# KiCad board Julelys LED.kicad_pcb (continued)
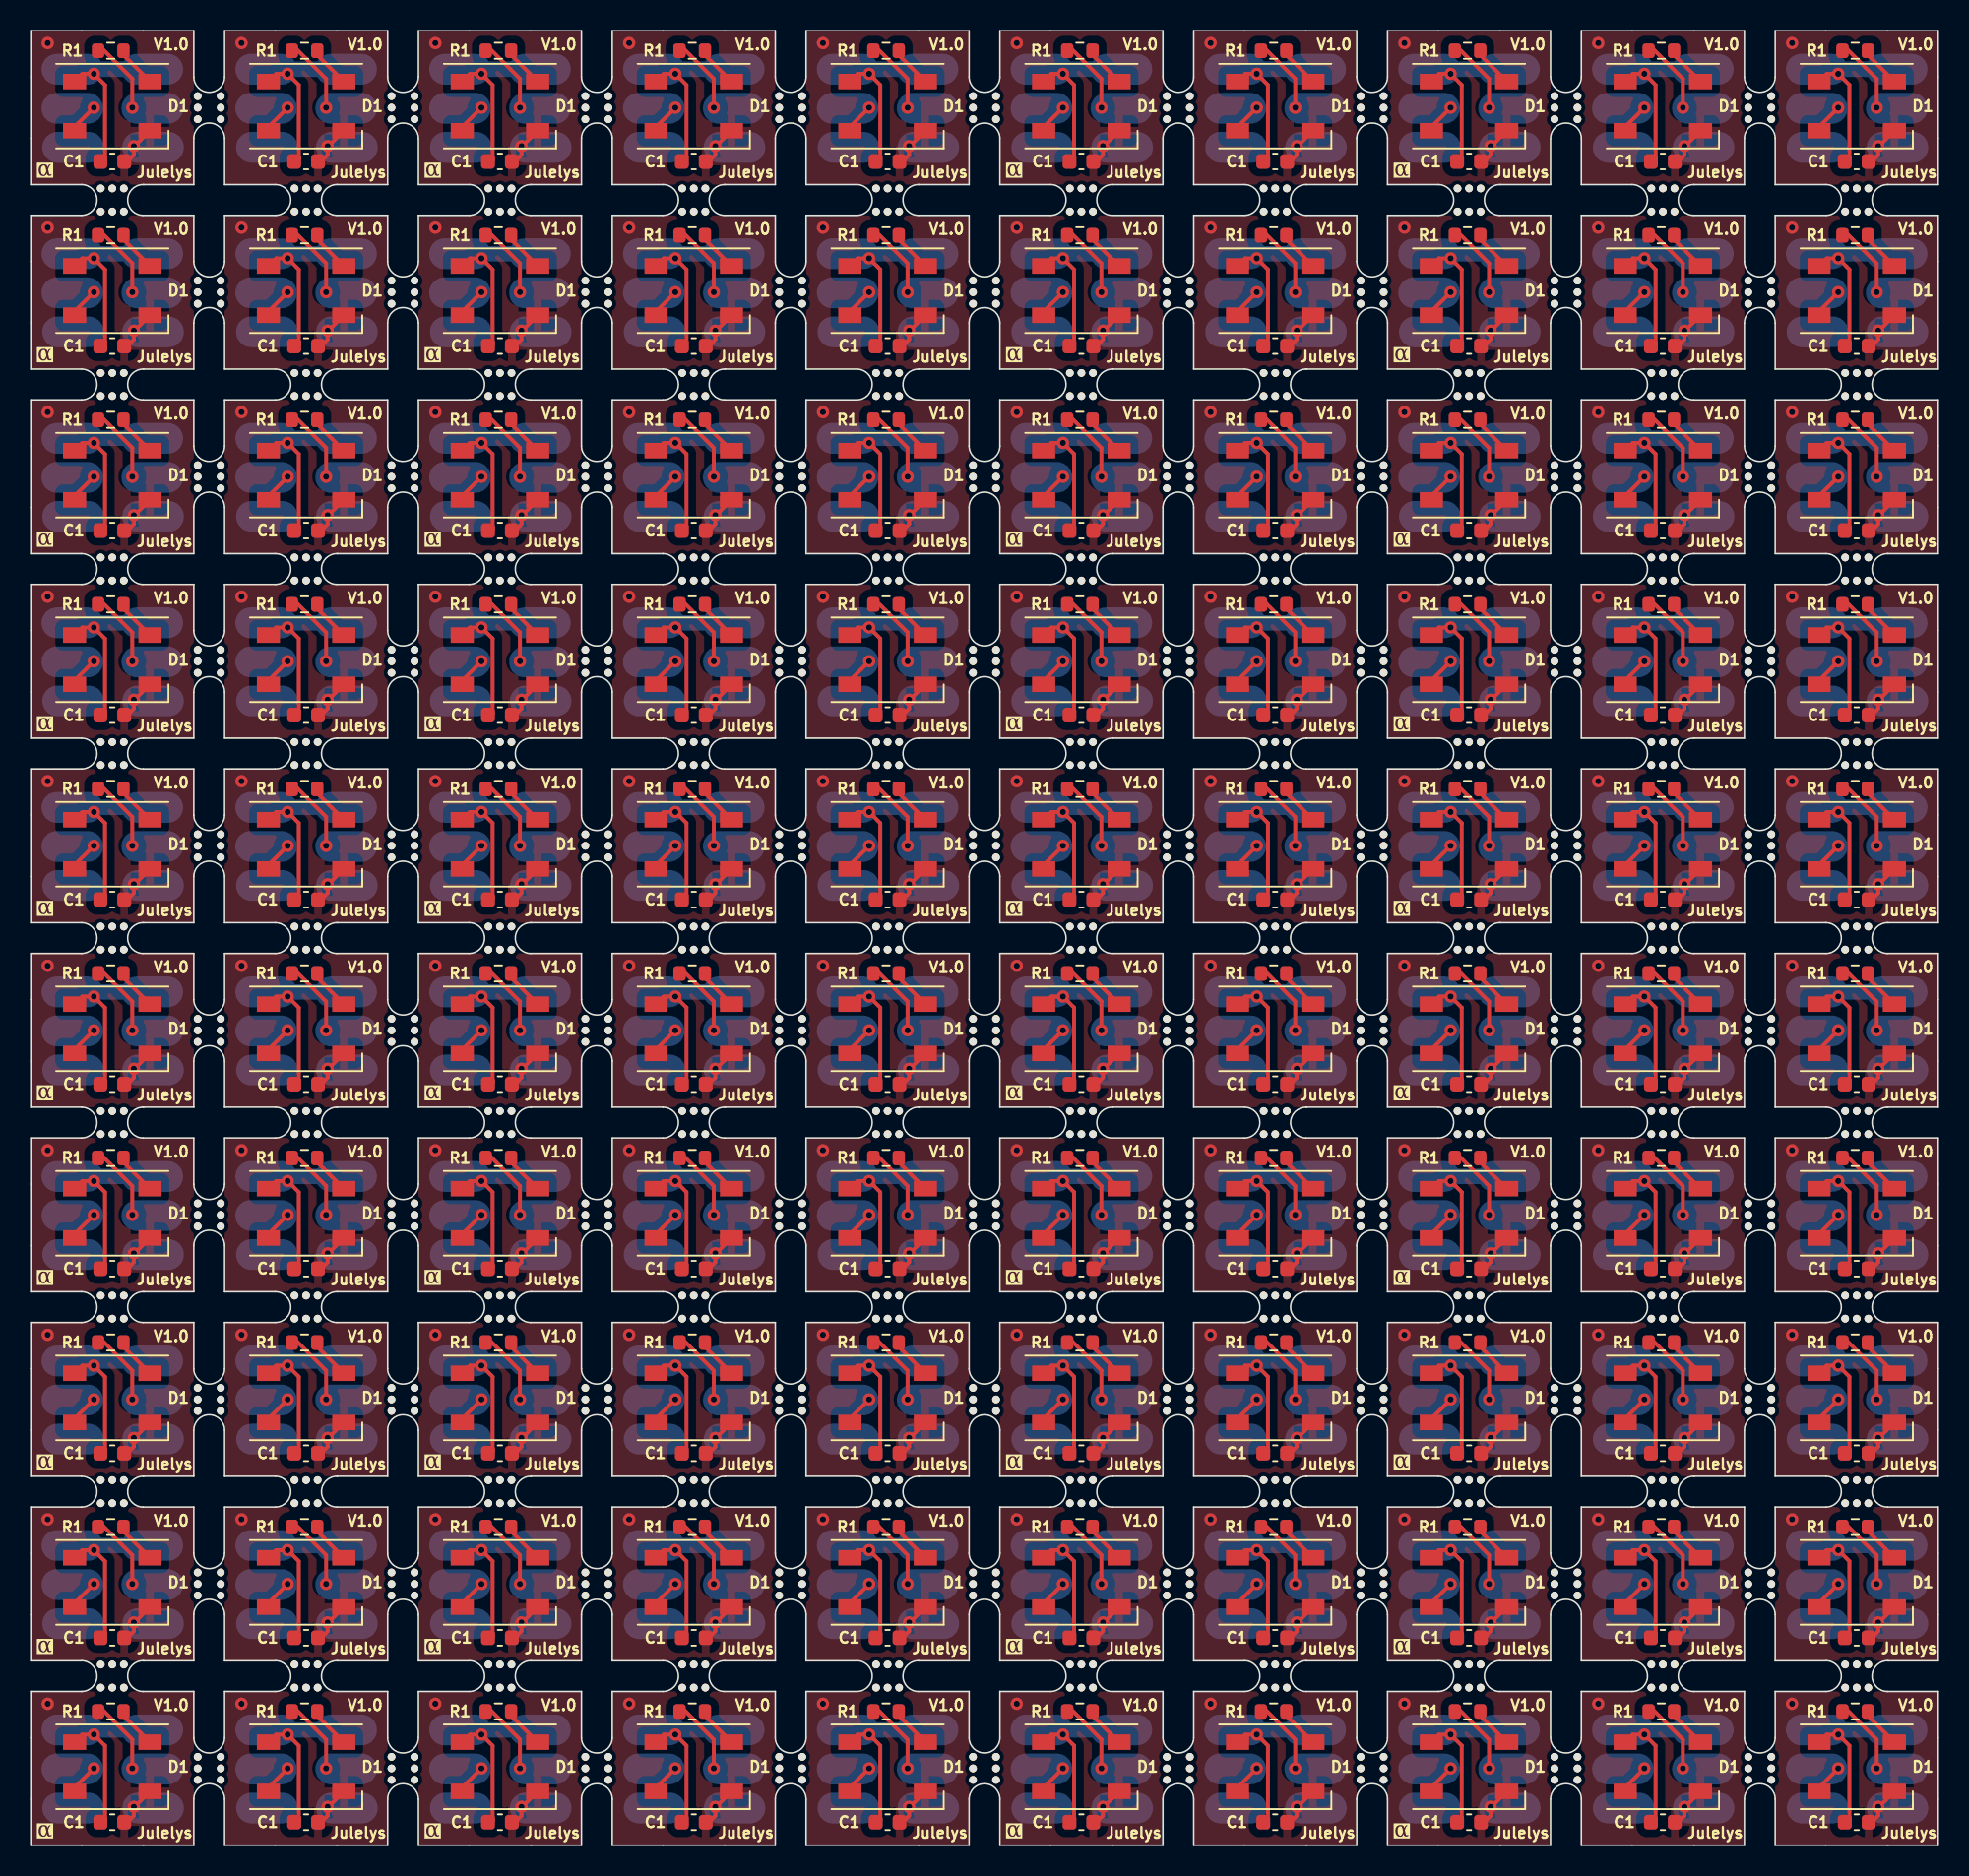
[diagram p0: board, top side]
## Placement (name value [footprint] x y rotation side) (continued)
mouse-bite-2mm-slot#84  VAL**  [mouse-bite-2mm-slot]  55.7 34.99 0 top
mouse-bite-2mm-slot#85  VAL**  [mouse-bite-2mm-slot]  49.4 64.99 90 top
mouse-bite-2mm-slot#86  VAL**  [mouse-bite-2mm-slot]  106.1 46.99 0 top
mouse-bite-2mm-slot#87  VAL**  [mouse-bite-2mm-slot]  74.6 5 90 top
mouse-bite-2mm-slot#88  VAL**  [mouse-bite-2mm-slot]  74.6 88.99 90 top
mouse-bite-2mm-slot#89  VAL**  [mouse-bite-2mm-slot]  17.9 94.99 0 top
mouse-bite-2mm-slot#90  VAL**  [mouse-bite-2mm-slot]  80.9 58.99 0 top
mouse-bite-2mm-slot#91  VAL**  [mouse-bite-2mm-slot]  87.2 16.99 90 top
mouse-bite-2mm-slot#92  VAL**  [mouse-bite-2mm-slot]  11.6 16.99 90 top
mouse-bite-2mm-slot#93  VAL**  [mouse-bite-2mm-slot]  24.2 5 90 top
mouse-bite-2mm-slot#94  VAL**  [mouse-bite-2mm-slot]  74.6 40.99 90 top
mouse-bite-2mm-slot#95  VAL**  [mouse-bite-2mm-slot]  80.9 34.99 0 top
mouse-bite-2mm-slot#96  VAL**  [mouse-bite-2mm-slot]  24.2 112.99 90 top
mouse-bite-2mm-slot#97  VAL**  [mouse-bite-2mm-slot]  62 52.99 90 top
mouse-bite-2mm-slot#98  VAL**  [mouse-bite-2mm-slot]  93.5 94.99 0 top
mouse-bite-2mm-slot#99  VAL**  [mouse-bite-2mm-slot]  80.9 46.99 0 top
mouse-bite-2mm-slot#100  VAL**  [mouse-bite-2mm-slot]  24.2 64.99 90 top
mouse-bite-2mm-slot#101  VAL**  [mouse-bite-2mm-slot]  99.8 40.99 90 top
mouse-bite-2mm-slot#102  VAL**  [mouse-bite-2mm-slot]  62 76.99 90 top
mouse-bite-2mm-slot#103  VAL**  [mouse-bite-2mm-slot]  106.1 22.99 0 top
mouse-bite-2mm-slot#104  VAL**  [mouse-bite-2mm-slot]  68.3 94.99 0 top
mouse-bite-2mm-slot#105  VAL**  [mouse-bite-2mm-slot]  30.5 94.99 0 top
mouse-bite-2mm-slot#106  VAL**  [mouse-bite-2mm-slot]  36.8 40.99 90 top
mouse-bite-2mm-slot#107  VAL**  [mouse-bite-2mm-slot]  118.7 82.99 0 top
mouse-bite-2mm-slot#108  VAL**  [mouse-bite-2mm-slot]  62 64.99 90 top
mouse-bite-2mm-slot#109  VAL**  [mouse-bite-2mm-slot]  62 112.99 90 top
mouse-bite-2mm-slot#110  VAL**  [mouse-bite-2mm-slot]  5.3 11 0 top
mouse-bite-2mm-slot#111  VAL**  [mouse-bite-2mm-slot]  30.5 34.99 0 top
mouse-bite-2mm-slot#112  VAL**  [mouse-bite-2mm-slot]  36.8 76.99 90 top
mouse-bite-2mm-slot#113  VAL**  [mouse-bite-2mm-slot]  68.3 58.99 0 top
mouse-bite-2mm-slot#114  VAL**  [mouse-bite-2mm-slot]  99.8 5 90 top
mouse-bite-2mm-slot#115  VAL**  [mouse-bite-2mm-slot]  11.6 112.99 90 top
mouse-bite-2mm-slot#116  VAL**  [mouse-bite-2mm-slot]  24.2 88.99 90 top
mouse-bite-2mm-slot#117  VAL**  [mouse-bite-2mm-slot]  43.1 94.99 0 top
mouse-bite-2mm-slot#118  VAL**  [mouse-bite-2mm-slot]  93.5 106.99 0 top
mouse-bite-2mm-slot#119  VAL**  [mouse-bite-2mm-slot]  106.1 106.99 0 top
mouse-bite-2mm-slot#120  VAL**  [mouse-bite-2mm-slot]  17.9 22.99 0 top
mouse-bite-2mm-slot#121  VAL**  [mouse-bite-2mm-slot]  74.6 28.99 90 top
mouse-bite-2mm-slot#122  VAL**  [mouse-bite-2mm-slot]  30.5 46.99 0 top
mouse-bite-2mm-slot#123  VAL**  [mouse-bite-2mm-slot]  49.4 16.99 90 top
mouse-bite-2mm-slot#124  VAL**  [mouse-bite-2mm-slot]  99.8 16.99 90 top
mouse-bite-2mm-slot#125  VAL**  [mouse-bite-2mm-slot]  87.2 76.99 90 top
mouse-bite-2mm-slot#126  VAL**  [mouse-bite-2mm-slot]  99.8 52.99 90 top
mouse-bite-2mm-slot#127  VAL**  [mouse-bite-2mm-slot]  74.6 112.99 90 top
mouse-bite-2mm-slot#128  VAL**  [mouse-bite-2mm-slot]  11.6 5 90 top
mouse-bite-2mm-slot#129  VAL**  [mouse-bite-2mm-slot]  62 88.99 90 top
mouse-bite-2mm-slot#130  VAL**  [mouse-bite-2mm-slot]  55.7 94.99 0 top
mouse-bite-2mm-slot#131  VAL**  [mouse-bite-2mm-slot]  5.3 22.99 0 top
mouse-bite-2mm-slot#132  VAL**  [mouse-bite-2mm-slot]  106.1 94.99 0 top
mouse-bite-2mm-slot#133  VAL**  [mouse-bite-2mm-slot]  68.3 22.99 0 top
mouse-bite-2mm-slot#134  VAL**  [mouse-bite-2mm-slot]  55.7 11 0 top
mouse-bite-2mm-slot#135  VAL**  [mouse-bite-2mm-slot]  106.1 70.99 0 top
mouse-bite-2mm-slot#136  VAL**  [mouse-bite-2mm-slot]  24.2 52.99 90 top
mouse-bite-2mm-slot#137  VAL**  [mouse-bite-2mm-slot]  17.9 34.99 0 top
mouse-bite-2mm-slot#138  VAL**  [mouse-bite-2mm-slot]  55.7 22.99 0 top
mouse-bite-2mm-slot#139  VAL**  [mouse-bite-2mm-slot]  74.6 52.99 90 top
mouse-bite-2mm-slot#140  VAL**  [mouse-bite-2mm-slot]  93.5 22.99 0 top
mouse-bite-2mm-slot#141  VAL**  [mouse-bite-2mm-slot]  80.9 11 0 top
mouse-bite-2mm-slot#142  VAL**  [mouse-bite-2mm-slot]  43.1 106.99 0 top
mouse-bite-2mm-slot#143  VAL**  [mouse-bite-2mm-slot]  112.4 16.99 90 top
mouse-bite-2mm-slot#144  VAL**  [mouse-bite-2mm-slot]  93.5 82.99 0 top
mouse-bite-2mm-slot#145  VAL**  [mouse-bite-2mm-slot]  118.7 94.99 0 top
mouse-bite-2mm-slot#146  VAL**  [mouse-bite-2mm-slot]  43.1 34.99 0 top
mouse-bite-2mm-slot#147  VAL**  [mouse-bite-2mm-slot]  55.7 46.99 0 top
mouse-bite-2mm-slot#148  VAL**  [mouse-bite-2mm-slot]  93.5 11 0 top
mouse-bite-2mm-slot#149  VAL**  [mouse-bite-2mm-slot]  93.5 46.99 0 top
mouse-bite-2mm-slot#150  VAL**  [mouse-bite-2mm-slot]  11.6 28.99 90 top
mouse-bite-2mm-slot#151  VAL**  [mouse-bite-2mm-slot]  11.6 100.99 90 top
mouse-bite-2mm-slot#152  VAL**  [mouse-bite-2mm-slot]  74.6 76.99 90 top
mouse-bite-2mm-slot#153  VAL**  [mouse-bite-2mm-slot]  62 28.99 90 top
mouse-bite-2mm-slot#154  VAL**  [mouse-bite-2mm-slot]  5.3 34.99 0 top
mouse-bite-2mm-slot#155  VAL**  [mouse-bite-2mm-slot]  99.8 100.99 90 top
mouse-bite-2mm-slot#156  VAL**  [mouse-bite-2mm-slot]  118.7 58.99 0 top
mouse-bite-2mm-slot#157  VAL**  [mouse-bite-2mm-slot]  17.9 11 0 top
mouse-bite-2mm-slot#158  VAL**  [mouse-bite-2mm-slot]  118.7 46.99 0 top
mouse-bite-2mm-slot#159  VAL**  [mouse-bite-2mm-slot]  36.8 64.99 90 top
mouse-bite-2mm-slot#160  VAL**  [mouse-bite-2mm-slot]  80.9 106.99 0 top
mouse-bite-2mm-slot#161  VAL**  [mouse-bite-2mm-slot]  80.9 22.99 0 top
mouse-bite-2mm-slot#162  VAL**  [mouse-bite-2mm-slot]  36.8 28.99 90 top
mouse-bite-2mm-slot#163  VAL**  [mouse-bite-2mm-slot]  36.8 16.99 90 top
mouse-bite-2mm-slot#164  VAL**  [mouse-bite-2mm-slot]  5.3 58.99 0 top
mouse-bite-2mm-slot#165  VAL**  [mouse-bite-2mm-slot]  43.1 70.99 0 top
mouse-bite-2mm-slot#166  VAL**  [mouse-bite-2mm-slot]  62 100.99 90 top
mouse-bite-2mm-slot#167  VAL**  [mouse-bite-2mm-slot]  112.4 76.99 90 top
mouse-bite-2mm-slot#168  VAL**  [mouse-bite-2mm-slot]  24.2 28.99 90 top
mouse-bite-2mm-slot#169  VAL**  [mouse-bite-2mm-slot]  36.8 112.99 90 top
mouse-bite-2mm-slot#170  VAL**  [mouse-bite-2mm-slot]  99.8 76.99 90 top
mouse-bite-2mm-slot#171  VAL**  [mouse-bite-2mm-slot]  36.8 88.99 90 top
mouse-bite-2mm-slot#172  VAL**  [mouse-bite-2mm-slot]  93.5 70.99 0 top
mouse-bite-2mm-slot#173  VAL**  [mouse-bite-2mm-slot]  80.9 94.99 0 top
mouse-bite-2mm-slot#174  VAL**  [mouse-bite-2mm-slot]  74.6 100.99 90 top
mouse-bite-2mm-slot#175  VAL**  [mouse-bite-2mm-slot]  5.3 106.99 0 top
mouse-bite-2mm-slot#176  VAL**  [mouse-bite-2mm-slot]  62 5 90 top
mouse-bite-2mm-slot#177  VAL**  [mouse-bite-2mm-slot]  17.9 106.99 0 top
mouse-bite-2mm-slot#178  VAL**  [mouse-bite-2mm-slot]  106.1 11 0 top
mouse-bite-2mm-slot#179  VAL**  [mouse-bite-2mm-slot]  87.2 64.99 90 top
mouse-bite-2mm-slot#180  VAL**  [mouse-bite-2mm-slot]  17.9 70.99 0 top
P1  ~  [Solder Pads 3x2.54]  20.5 63.89 180 bottom
P1#2  ~  [Solder Pads 3x2.54]  83.5 39.89 180 bottom
P1#3  ~  [Solder Pads 3x2.54]  33.1 111.89 180 bottom
P1#4  ~  [Solder Pads 3x2.54]  20.5 87.89 180 bottom
P1#5  ~  [Solder Pads 3x2.54]  58.3 75.89 180 bottom
P1#6  ~  [Solder Pads 3x2.54]  83.5 99.89 180 bottom
P1#7  ~  [Solder Pads 3x2.54]  83.5 87.89 180 bottom
P1#8  ~  [Solder Pads 3x2.54]  83.5 51.89 180 bottom
P1#9  ~  [Solder Pads 3x2.54]  121.3 39.89 180 bottom
P1#10  ~  [Solder Pads 3x2.54]  70.9 3.9 180 bottom
P1#11  ~  [Solder Pads 3x2.54]  108.7 75.89 180 bottom
P1#12  ~  [Solder Pads 3x2.54]  108.7 99.89 180 bottom
P1#13  ~  [Solder Pads 3x2.54]  58.3 15.89 180 bottom
P1#14  ~  [Solder Pads 3x2.54]  58.3 87.89 180 bottom
P1#15  ~  [Solder Pads 3x2.54]  58.3 111.89 180 bottom
P1#16  ~  [Solder Pads 3x2.54]  121.3 87.89 180 bottom
P1#17  ~  [Solder Pads 3x2.54]  96.1 3.9 180 bottom
P1#18  ~  [Solder Pads 3x2.54]  33.1 27.89 180 bottom
P1#19  ~  [Solder Pads 3x2.54]  108.7 27.89 180 bottom
P1#20  ~  [Solder Pads 3x2.54]  70.9 75.89 180 bottom
P1#21  ~  [Solder Pads 3x2.54]  7.9 99.89 180 bottom
P1#22  ~  [Solder Pads 3x2.54]  45.7 15.89 180 bottom
P1#23  ~  [Solder Pads 3x2.54]  108.7 3.9 180 bottom
P1#24  ~  [Solder Pads 3x2.54]  96.1 63.89 180 bottom
P1#25  ~  [Solder Pads 3x2.54]  70.9 87.89 180 bottom
P1#26  ~  [Solder Pads 3x2.54]  121.3 3.9 180 bottom
P1#27  ~  [Solder Pads 3x2.54]  7.9 63.89 180 bottom
P1#28  ~  [Solder Pads 3x2.54]  7.9 111.89 180 bottom
P1#29  ~  [Solder Pads 3x2.54]  121.3 99.89 180 bottom
P1#30  ~  [Solder Pads 3x2.54]  70.9 99.89 180 bottom
P1#31  ~  [Solder Pads 3x2.54]  96.1 51.89 180 bottom
P1#32  ~  [Solder Pads 3x2.54]  33.1 87.89 180 bottom
P1#33  ~  [Solder Pads 3x2.54]  33.1 51.89 180 bottom
P1#34  ~  [Solder Pads 3x2.54]  70.9 27.89 180 bottom
P1#35  ~  [Solder Pads 3x2.54]  96.1 39.89 180 bottom
P1#36  ~  [Solder Pads 3x2.54]  83.5 3.9 180 bottom
P1#37  ~  [Solder Pads 3x2.54]  20.5 99.89 180 bottom
P1#38  ~  [Solder Pads 3x2.54]  20.5 39.89 180 bottom
P1#39  ~  [Solder Pads 3x2.54]  96.1 15.89 180 bottom
P1#40  ~  [Solder Pads 3x2.54]  83.5 75.89 180 bottom
P1#41  ~  [Solder Pads 3x2.54]  20.5 111.89 180 bottom
P1#42  ~  [Solder Pads 3x2.54]  45.7 87.89 180 bottom
P1#43  ~  [Solder Pads 3x2.54]  83.5 27.89 180 bottom
P1#44  ~  [Solder Pads 3x2.54]  33.1 99.89 180 bottom
P1#45  ~  [Solder Pads 3x2.54]  121.3 15.89 180 bottom
P1#46  ~  [Solder Pads 3x2.54]  96.1 99.89 180 bottom
P1#47  ~  [Solder Pads 3x2.54]  45.7 51.89 180 bottom
P1#48  ~  [Solder Pads 3x2.54]  70.9 15.89 180 bottom
P1#49  ~  [Solder Pads 3x2.54]  20.5 15.89 180 bottom
P1#50  ~  [Solder Pads 3x2.54]  108.7 87.89 180 bottom
P1#51  ~  [Solder Pads 3x2.54]  33.1 63.89 180 bottom
P1#52  ~  [Solder Pads 3x2.54]  108.7 39.89 180 bottom
P1#53  ~  [Solder Pads 3x2.54]  83.5 63.89 180 bottom
P1#54  ~  [Solder Pads 3x2.54]  58.3 3.9 180 bottom
P1#55  ~  [Solder Pads 3x2.54]  58.3 39.89 180 bottom
P1#56  ~  [Solder Pads 3x2.54]  7.9 75.89 180 bottom
P1#57  ~  [Solder Pads 3x2.54]  58.3 27.89 180 bottom
P1#58  ~  [Solder Pads 3x2.54]  45.7 99.89 180 bottom
P1#59  ~  [Solder Pads 3x2.54]  70.9 51.89 180 bottom
P1#60  ~  [Solder Pads 3x2.54]  7.9 39.89 180 bottom
P1#61  ~  [Solder Pads 3x2.54]  7.9 27.89 180 bottom
P1#62  ~  [Solder Pads 3x2.54]  20.5 27.89 180 bottom
P1#63  ~  [Solder Pads 3x2.54]  20.5 51.89 180 bottom
P1#64  ~  [Solder Pads 3x2.54]  70.9 111.89 180 bottom
P1#65  ~  [Solder Pads 3x2.54]  96.1 111.89 180 bottom
P1#66  ~  [Solder Pads 3x2.54]  58.3 99.89 180 bottom
P1#67  ~  [Solder Pads 3x2.54]  108.7 111.89 180 bottom
P1#68  ~  [Solder Pads 3x2.54]  121.3 75.89 180 bottom
P1#69  ~  [Solder Pads 3x2.54]  33.1 75.89 180 bottom
P1#70  ~  [Solder Pads 3x2.54]  45.7 39.89 180 bottom
P1#71  ~  [Solder Pads 3x2.54]  7.9 87.89 180 bottom
P1#72  ~  [Solder Pads 3x2.54]  45.7 3.9 180 bottom
P1#73  ~  [Solder Pads 3x2.54]  96.1 87.89 180 bottom
P1#74  ~  [Solder Pads 3x2.54]  7.9 3.9 180 bottom
P1#75  ~  [Solder Pads 3x2.54]  58.3 63.89 180 bottom
P1#76  ~  [Solder Pads 3x2.54]  96.1 75.89 180 bottom
P1#77  ~  [Solder Pads 3x2.54]  45.7 27.89 180 bottom
P1#78  ~  [Solder Pads 3x2.54]  45.7 63.89 180 bottom
P1#79  ~  [Solder Pads 3x2.54]  121.3 27.89 180 bottom
P1#80  ~  [Solder Pads 3x2.54]  121.3 111.89 180 bottom
P1#81  ~  [Solder Pads 3x2.54]  20.5 75.89 180 bottom
P1#82  ~  [Solder Pads 3x2.54]  108.7 15.89 180 bottom
P1#83  ~  [Solder Pads 3x2.54]  70.9 39.89 180 bottom
P1#84  ~  [Solder Pads 3x2.54]  7.9 15.89 180 bottom
P1#85  ~  [Solder Pads 3x2.54]  70.9 63.89 180 bottom
P1#86  ~  [Solder Pads 3x2.54]  33.1 39.89 180 bottom
P1#87  ~  [Solder Pads 3x2.54]  33.1 15.89 180 bottom
P1#88  ~  [Solder Pads 3x2.54]  83.5 15.89 180 bottom
P1#89  ~  [Solder Pads 3x2.54]  45.7 111.89 180 bottom
P1#90  ~  [Solder Pads 3x2.54]  20.5 3.9 180 bottom
P1#91  ~  [Solder Pads 3x2.54]  108.7 63.89 180 bottom
P1#92  ~  [Solder Pads 3x2.54]  7.9 51.89 180 bottom
P1#93  ~  [Solder Pads 3x2.54]  108.7 51.89 180 bottom
P1#94  ~  [Solder Pads 3x2.54]  45.7 75.89 180 bottom
P1#95  ~  [Solder Pads 3x2.54]  83.5 111.89 180 bottom
P1#96  ~  [Solder Pads 3x2.54]  121.3 63.89 180 bottom
P1#97  ~  [Solder Pads 3x2.54]  96.1 27.89 180 bottom
P1#98  ~  [Solder Pads 3x2.54]  121.3 51.89 180 bottom
P1#99  ~  [Solder Pads 3x2.54]  33.1 3.9 180 bottom
P1#100  ~  [Solder Pads 3x2.54]  58.3 51.89 180 bottom
P3  ~  [Solder Pads 3x2.54]  40.5 63.89 180 bottom
P3#2  ~  [Solder Pads 3x2.54]  27.9 51.89 180 bottom
P3#3  ~  [Solder Pads 3x2.54]  65.7 63.89 180 bottom
P3#4  ~  [Solder Pads 3x2.54]  103.5 75.89 180 bottom
P3#5  ~  [Solder Pads 3x2.54]  90.9 63.89 180 bottom
P3#6  ~  [Solder Pads 3x2.54]  103.5 27.89 180 bottom
P3#7  ~  [Solder Pads 3x2.54]  116.1 27.89 180 bottom
P3#8  ~  [Solder Pads 3x2.54]  40.5 27.89 180 bottom
P3#9  ~  [Solder Pads 3x2.54]  116.1 75.89 180 bottom
P3#10  ~  [Solder Pads 3x2.54]  27.9 3.9 180 bottom
P3#11  ~  [Solder Pads 3x2.54]  78.3 51.89 180 bottom
P3#12  ~  [Solder Pads 3x2.54]  2.7 99.89 180 bottom
P3#13  ~  [Solder Pads 3x2.54]  65.7 75.89 180 bottom
P3#14  ~  [Solder Pads 3x2.54]  2.7 51.89 180 bottom
P3#15  ~  [Solder Pads 3x2.54]  40.5 111.89 180 bottom
P3#16  ~  [Solder Pads 3x2.54]  116.1 51.89 180 bottom
P3#17  ~  [Solder Pads 3x2.54]  40.5 3.9 180 bottom
P3#18  ~  [Solder Pads 3x2.54]  40.5 75.89 180 bottom
P3#19  ~  [Solder Pads 3x2.54]  27.9 111.89 180 bottom
P3#20  ~  [Solder Pads 3x2.54]  2.7 15.89 180 bottom
P3#21  ~  [Solder Pads 3x2.54]  15.3 3.9 180 bottom
P3#22  ~  [Solder Pads 3x2.54]  27.9 15.89 180 bottom
P3#23  ~  [Solder Pads 3x2.54]  116.1 99.89 180 bottom
P3#24  ~  [Solder Pads 3x2.54]  15.3 51.89 180 bottom
P3#25  ~  [Solder Pads 3x2.54]  2.7 75.89 180 bottom
P3#26  ~  [Solder Pads 3x2.54]  53.1 63.89 180 bottom
P3#27  ~  [Solder Pads 3x2.54]  78.3 3.9 180 bottom
P3#28  ~  [Solder Pads 3x2.54]  90.9 75.89 180 bottom
P3#29  ~  [Solder Pads 3x2.54]  78.3 111.89 180 bottom
P3#30  ~  [Solder Pads 3x2.54]  2.7 39.89 180 bottom
P3#31  ~  [Solder Pads 3x2.54]  53.1 75.89 180 bottom
P3#32  ~  [Solder Pads 3x2.54]  15.3 39.89 180 bottom
P3#33  ~  [Solder Pads 3x2.54]  65.7 3.9 180 bottom
P3#34  ~  [Solder Pads 3x2.54]  15.3 87.89 180 bottom
P3#35  ~  [Solder Pads 3x2.54]  53.1 111.89 180 bottom
P3#36  ~  [Solder Pads 3x2.54]  65.7 87.89 180 bottom
P3#37  ~  [Solder Pads 3x2.54]  40.5 15.89 180 bottom
P3#38  ~  [Solder Pads 3x2.54]  53.1 99.89 180 bottom
P3#39  ~  [Solder Pads 3x2.54]  40.5 99.89 180 bottom
P3#40  ~  [Solder Pads 3x2.54]  40.5 87.89 180 bottom
P3#41  ~  [Solder Pads 3x2.54]  65.7 39.89 180 bottom
P3#42  ~  [Solder Pads 3x2.54]  2.7 111.89 180 bottom
P3#43  ~  [Solder Pads 3x2.54]  65.7 51.89 180 bottom
P3#44  ~  [Solder Pads 3x2.54]  65.7 111.89 180 bottom
P3#45  ~  [Solder Pads 3x2.54]  103.5 39.89 180 bottom
P3#46  ~  [Solder Pads 3x2.54]  103.5 111.89 180 bottom
P3#47  ~  [Solder Pads 3x2.54]  15.3 15.89 180 bottom
P3#48  ~  [Solder Pads 3x2.54]  116.1 87.89 180 bottom
P3#49  ~  [Solder Pads 3x2.54]  15.3 111.89 180 bottom
P3#50  ~  [Solder Pads 3x2.54]  103.5 15.89 180 bottom
P3#51  ~  [Solder Pads 3x2.54]  90.9 111.89 180 bottom
P3#52  ~  [Solder Pads 3x2.54]  78.3 87.89 180 bottom
P3#53  ~  [Solder Pads 3x2.54]  90.9 99.89 180 bottom
P3#54  ~  [Solder Pads 3x2.54]  2.7 87.89 180 bottom
P3#55  ~  [Solder Pads 3x2.54]  53.1 39.89 180 bottom
P3#56  ~  [Solder Pads 3x2.54]  90.9 39.89 180 bottom
P3#57  ~  [Solder Pads 3x2.54]  40.5 39.89 180 bottom
P3#58  ~  [Solder Pads 3x2.54]  2.7 63.89 180 bottom
P3#59  ~  [Solder Pads 3x2.54]  40.5 51.89 180 bottom
P3#60  ~  [Solder Pads 3x2.54]  27.9 27.89 180 bottom
P3#61  ~  [Solder Pads 3x2.54]  78.3 15.89 180 bottom
P3#62  ~  [Solder Pads 3x2.54]  27.9 63.89 180 bottom
P3#63  ~  [Solder Pads 3x2.54]  116.1 63.89 180 bottom
P3#64  ~  [Solder Pads 3x2.54]  53.1 27.89 180 bottom
P3#65  ~  [Solder Pads 3x2.54]  116.1 111.89 180 bottom
P3#66  ~  [Solder Pads 3x2.54]  15.3 99.89 180 bottom
P3#67  ~  [Solder Pads 3x2.54]  53.1 3.9 180 bottom
P3#68  ~  [Solder Pads 3x2.54]  90.9 87.89 180 bottom
P3#69  ~  [Solder Pads 3x2.54]  78.3 27.89 180 bottom
P3#70  ~  [Solder Pads 3x2.54]  53.1 51.89 180 bottom
P3#71  ~  [Solder Pads 3x2.54]  116.1 3.9 180 bottom
P3#72  ~  [Solder Pads 3x2.54]  103.5 63.89 180 bottom
P3#73  ~  [Solder Pads 3x2.54]  65.7 15.89 180 bottom
P3#74  ~  [Solder Pads 3x2.54]  78.3 75.89 180 bottom
P3#75  ~  [Solder Pads 3x2.54]  65.7 27.89 180 bottom
P3#76  ~  [Solder Pads 3x2.54]  103.5 3.9 180 bottom
P3#77  ~  [Solder Pads 3x2.54]  2.7 3.9 180 bottom
P3#78  ~  [Solder Pads 3x2.54]  103.5 99.89 180 bottom
P3#79  ~  [Solder Pads 3x2.54]  90.9 3.9 180 bottom
P3#80  ~  [Solder Pads 3x2.54]  53.1 87.89 180 bottom
P3#81  ~  [Solder Pads 3x2.54]  2.7 27.89 180 bottom
P3#82  ~  [Solder Pads 3x2.54]  65.7 99.89 180 bottom
P3#83  ~  [Solder Pads 3x2.54]  53.1 15.89 180 bottom
P3#84  ~  [Solder Pads 3x2.54]  27.9 39.89 180 bottom
P3#85  ~  [Solder Pads 3x2.54]  103.5 51.89 180 bottom
P3#86  ~  [Solder Pads 3x2.54]  27.9 87.89 180 bottom
P3#87  ~  [Solder Pads 3x2.54]  116.1 39.89 180 bottom
P3#88  ~  [Solder Pads 3x2.54]  103.5 87.89 180 bottom
P3#89  ~  [Solder Pads 3x2.54]  27.9 75.89 180 bottom
P3#90  ~  [Solder Pads 3x2.54]  15.3 27.89 180 bottom
P3#91  ~  [Solder Pads 3x2.54]  90.9 27.89 180 bottom
P3#92  ~  [Solder Pads 3x2.54]  116.1 15.89 180 bottom
P3#93  ~  [Solder Pads 3x2.54]  90.9 51.89 180 bottom
P3#94  ~  [Solder Pads 3x2.54]  90.9 15.89 180 bottom
P3#95  ~  [Solder Pads 3x2.54]  27.9 99.89 180 bottom
P3#96  ~  [Solder Pads 3x2.54]  15.3 75.89 180 bottom
P3#97  ~  [Solder Pads 3x2.54]  78.3 39.89 180 bottom
P3#98  ~  [Solder Pads 3x2.54]  15.3 63.89 180 bottom
P3#99  ~  [Solder Pads 3x2.54]  78.3 63.89 180 bottom
P3#100  ~  [Solder Pads 3x2.54]  78.3 99.89 180 bottom
R1  330  [R_0603_1608Metric]  118.6 116.69 0 top
R1#2  330  [R_0603_1608Metric]  68.2 104.69 0 top
R1#3  330  [R_0603_1608Metric]  93.4 104.69 0 top
R1#4  330  [R_0603_1608Metric]  93.4 8.7 0 top
R1#5  330  [R_0603_1608Metric]  118.6 56.69 0 top
R1#6  330  [R_0603_1608Metric]  5.2 116.69 0 top
R1#7  330  [R_0603_1608Metric]  43 44.69 0 top
R1#8  330  [R_0603_1608Metric]  118.6 20.69 0 top
R1#9  330  [R_0603_1608Metric]  93.4 56.69 0 top
R1#10  330  [R_0603_1608Metric]  43 8.7 0 top
R1#11  330  [R_0603_1608Metric]  17.8 104.69 0 top
R1#12  330  [R_0603_1608Metric]  43 104.69 0 top
R1#13  330  [R_0603_1608Metric]  30.4 116.69 0 top
R1#14  330  [R_0603_1608Metric]  93.4 32.69 0 top
R1#15  330  [R_0603_1608Metric]  43 56.69 0 top
R1#16  330  [R_0603_1608Metric]  17.8 20.69 0 top
R1#17  330  [R_0603_1608Metric]  55.6 56.69 0 top
R1#18  330  [R_0603_1608Metric]  30.4 80.69 0 top
R1#19  330  [R_0603_1608Metric]  118.6 68.69 0 top
R1#20  330  [R_0603_1608Metric]  80.8 104.69 0 top
R1#21  330  [R_0603_1608Metric]  68.2 56.69 0 top
R1#22  330  [R_0603_1608Metric]  30.4 104.69 0 top
R1#23  330  [R_0603_1608Metric]  80.8 20.69 0 top
R1#24  330  [R_0603_1608Metric]  80.8 56.69 0 top
R1#25  330  [R_0603_1608Metric]  17.8 44.69 0 top
R1#26  330  [R_0603_1608Metric]  118.6 104.69 0 top
R1#27  330  [R_0603_1608Metric]  55.6 20.69 0 top
R1#28  330  [R_0603_1608Metric]  68.2 68.69 0 top
R1#29  330  [R_0603_1608Metric]  5.2 32.69 0 top
R1#30  330  [R_0603_1608Metric]  17.8 8.7 0 top
R1#31  330  [R_0603_1608Metric]  5.2 44.69 0 top
R1#32  330  [R_0603_1608Metric]  30.4 92.69 0 top
R1#33  330  [R_0603_1608Metric]  106 20.69 0 top
R1#34  330  [R_0603_1608Metric]  80.8 8.7 0 top
R1#35  330  [R_0603_1608Metric]  30.4 68.69 0 top
R1#36  330  [R_0603_1608Metric]  80.8 80.69 0 top
R1#37  330  [R_0603_1608Metric]  93.4 92.69 0 top
R1#38  330  [R_0603_1608Metric]  68.2 116.69 0 top
R1#39  330  [R_0603_1608Metric]  43 116.69 0 top
R1#40  330  [R_0603_1608Metric]  106 104.69 0 top
R1#41  330  [R_0603_1608Metric]  30.4 8.7 0 top
R1#42  330  [R_0603_1608Metric]  30.4 44.69 0 top
R1#43  330  [R_0603_1608Metric]  55.6 68.69 0 top
R1#44  330  [R_0603_1608Metric]  68.2 80.69 0 top
R1#45  330  [R_0603_1608Metric]  55.6 32.69 0 top
R1#46  330  [R_0603_1608Metric]  43 20.69 0 top
R1#47  330  [R_0603_1608Metric]  30.4 20.69 0 top
R1#48  330  [R_0603_1608Metric]  17.8 68.69 0 top
R1#49  330  [R_0603_1608Metric]  17.8 80.69 0 top
R1#50  330  [R_0603_1608Metric]  17.8 56.69 0 top
R1#51  330  [R_0603_1608Metric]  55.6 80.69 0 top
R1#52  330  [R_0603_1608Metric]  43 68.69 0 top
R1#53  330  [R_0603_1608Metric]  93.4 44.69 0 top
R1#54  330  [R_0603_1608Metric]  5.2 56.69 0 top
R1#55  330  [R_0603_1608Metric]  30.4 56.69 0 top
R1#56  330  [R_0603_1608Metric]  43 80.69 0 top
R1#57  330  [R_0603_1608Metric]  68.2 32.69 0 top
R1#58  330  [R_0603_1608Metric]  17.8 116.69 0 top
R1#59  330  [R_0603_1608Metric]  30.4 32.69 0 top
R1#60  330  [R_0603_1608Metric]  55.6 92.69 0 top
R1#61  330  [R_0603_1608Metric]  5.2 80.69 0 top
R1#62  330  [R_0603_1608Metric]  55.6 8.7 0 top
R1#63  330  [R_0603_1608Metric]  93.4 68.69 0 top
R1#64  330  [R_0603_1608Metric]  68.2 8.7 0 top
R1#65  330  [R_0603_1608Metric]  80.8 116.69 0 top
R1#66  330  [R_0603_1608Metric]  80.8 92.69 0 top
R1#67  330  [R_0603_1608Metric]  80.8 44.69 0 top
R1#68  330  [R_0603_1608Metric]  93.4 20.69 0 top
R1#69  330  [R_0603_1608Metric]  68.2 20.69 0 top
R1#70  330  [R_0603_1608Metric]  17.8 92.69 0 top
R1#71  330  [R_0603_1608Metric]  118.6 8.7 0 top
R1#72  330  [R_0603_1608Metric]  106 92.69 0 top
R1#73  330  [R_0603_1608Metric]  5.2 68.69 0 top
R1#74  330  [R_0603_1608Metric]  43 32.69 0 top
R1#75  330  [R_0603_1608Metric]  5.2 92.69 0 top
R1#76  330  [R_0603_1608Metric]  106 68.69 0 top
R1#77  330  [R_0603_1608Metric]  5.2 20.69 0 top
R1#78  330  [R_0603_1608Metric]  5.2 104.69 0 top
R1#79  330  [R_0603_1608Metric]  106 116.69 0 top
R1#80  330  [R_0603_1608Metric]  106 32.69 0 top
R1#81  330  [R_0603_1608Metric]  118.6 80.69 0 top
R1#82  330  [R_0603_1608Metric]  106 56.69 0 top
R1#83  330  [R_0603_1608Metric]  55.6 104.69 0 top
R1#84  330  [R_0603_1608Metric]  118.6 92.69 0 top
R1#85  330  [R_0603_1608Metric]  68.2 44.69 0 top
R1#86  330  [R_0603_1608Metric]  93.4 80.69 0 top
R1#87  330  [R_0603_1608Metric]  106 8.7 0 top
R1#88  330  [R_0603_1608Metric]  106 80.69 0 top
R1#89  330  [R_0603_1608Metric]  68.2 92.69 0 top
R1#90  330  [R_0603_1608Metric]  93.4 116.69 0 top
R1#91  330  [R_0603_1608Metric]  55.6 44.69 0 top
R1#92  330  [R_0603_1608Metric]  5.2 8.7 0 top
R1#93  330  [R_0603_1608Metric]  80.8 32.69 0 top
R1#94  330  [R_0603_1608Metric]  43 92.69 0 top
R1#95  330  [R_0603_1608Metric]  118.6 44.69 0 top
R1#96  330  [R_0603_1608Metric]  118.6 32.69 0 top
R1#97  330  [R_0603_1608Metric]  17.8 32.69 0 top
R1#98  330  [R_0603_1608Metric]  106 44.69 0 top
R1#99  330  [R_0603_1608Metric]  55.6 116.69 0 top
R1#100  330  [R_0603_1608Metric]  80.8 68.69 0 top

## Library data of the parts
C1 C1#2-C1#100 = -: Description: Unpolarized capacitor
D1 D1#2-D1#100 = -: Description: RGB LED with integrated controller
R1 R1#2-R1#100 = -: Description: Resistor

## Footprints (pads in the part's own frame, mm; a bottom-side part is the same pattern mirrored in y, then rotated)
C_0603_1608Metric
  rrect 0.9x0.95 smd: 1(-0.775,0) 2(0.775,0)
LED_SK6812_PLCC4_5.0x5.0mm_P3.2mm
  rect 1.5x1 smd: 1(2.45,-1.6) 2(2.45,1.6) 3(-2.45,1.6) 4(-2.45,-1.6)
mouse-bite-2mm-slot
  round 0.5 hole 0.5 unplated: (-0.75,0.75) (-0.75,-0.75) (0,0.75) (0,-0.75) (0.75,0.75) (0.75,-0.75)
R_0603_1608Metric
  rrect 0.8x0.95 smd: 1(-0.825,0) 2(0.825,0)
Solder Pads 3x2.54
  oval 4x2 smd: 1(0,3.6) 2(0,1.06) 3(-0.05,-1.48)

## Nets
+5V: C1.1 C1#2.1 C1#3.1 C1#4.1 C1#5.1 C1#6.1 C1#7.1 C1#8.1 C1#9.1 C1#10.1 C1#11.1 C1#12.1 C1#13.1 C1#14.1 C1#15.1 C1#16.1 C1#17.1 C1#18.1 C1#19.1 C1#20.1 C1#21.1 C1#22.1 C1#23.1 C1#24.1 C1#25.1 C1#26.1 C1#27.1 C1#28.1 C1#29.1 C1#30.1 C1#31.1 C1#32.1 C1#33.1 C1#34.1 C1#35.1 C1#36.1 C1#37.1 C1#38.1 C1#39.1 C1#40.1 C1#41.1 C1#42.1 C1#43.1 C1#44.1 C1#45.1 C1#46.1 C1#47.1 C1#48.1 C1#49.1 C1#50.1 C1#51.1 C1#52.1 C1#53.1 C1#54.1 C1#55.1 C1#56.1 C1#57.1 C1#58.1 C1#59.1 C1#60.1 C1#61.1 C1#62.1 C1#63.1 C1#64.1 C1#65.1 C1#66.1 C1#67.1 C1#68.1 C1#69.1 C1#70.1 C1#71.1 C1#72.1 C1#73.1 C1#74.1 C1#75.1 C1#76.1 C1#77.1 C1#78.1 C1#79.1 C1#80.1 C1#81.1 C1#82.1 C1#83.1 C1#84.1 C1#85.1 C1#86.1 C1#87.1 C1#88.1 C1#89.1 C1#90.1 C1#91.1 C1#92.1 C1#93.1 C1#94.1 C1#95.1 C1#96.1 C1#97.1 C1#98.1 C1#99.1 C1#100.1 D1.3 D1#2.3 D1#3.3 D1#4.3 D1#5.3 D1#6.3 D1#7.3 D1#8.3 D1#9.3 D1#10.3 D1#11.3 D1#12.3 D1#13.3 D1#14.3 D1#15.3 D1#16.3 D1#17.3 D1#18.3 D1#19.3 D1#20.3 D1#21.3 D1#22.3 D1#23.3 D1#24.3 D1#25.3 D1#26.3 D1#27.3 D1#28.3 D1#29.3 D1#30.3 D1#31.3 D1#32.3 D1#33.3 D1#34.3 D1#35.3 D1#36.3 D1#37.3 D1#38.3 D1#39.3 D1#40.3 D1#41.3 D1#42.3 D1#43.3 D1#44.3 D1#45.3 D1#46.3 D1#47.3 D1#48.3 D1#49.3 D1#50.3 D1#51.3 D1#52.3 D1#53.3 D1#54.3 D1#55.3 D1#56.3 D1#57.3 D1#58.3 D1#59.3 D1#60.3 D1#61.3 D1#62.3 D1#63.3 D1#64.3 D1#65.3 D1#66.3 D1#67.3 D1#68.3 D1#69.3 D1#70.3 D1#71.3 D1#72.3 D1#73.3 D1#74.3 D1#75.3 D1#76.3 D1#77.3 D1#78.3 D1#79.3 D1#80.3 D1#81.3 D1#82.3 D1#83.3 D1#84.3 D1#85.3 D1#86.3 D1#87.3 D1#88.3 D1#89.3 D1#90.3 D1#91.3 D1#92.3 D1#93.3 D1#94.3 D1#95.3 D1#96.3 D1#97.3 D1#98.3 D1#99.3 D1#100.3 P1.1 P1#2.1 P1#3.1 P1#4.1 P1#5.1 P1#6.1 P1#7.1 P1#8.1 P1#9.1 P1#10.1 P1#11.1 P1#12.1 P1#13.1 P1#14.1 P1#15.1 P1#16.1 P1#17.1 P1#18.1 P1#19.1 P1#20.1 P1#21.1 P1#22.1 P1#23.1 P1#24.1 P1#25.1 P1#26.1 P1#27.1 P1#28.1 P1#29.1 P1#30.1 P1#31.1 P1#32.1 P1#33.1 P1#34.1 P1#35.1 P1#36.1 P1#37.1 P1#38.1 P1#39.1 P1#40.1 P1#41.1 P1#42.1 P1#43.1 P1#44.1 P1#45.1 P1#46.1 P1#47.1 P1#48.1 P1#49.1 P1#50.1 P1#51.1 P1#52.1 P1#53.1 P1#54.1 P1#55.1 P1#56.1 P1#57.1 P1#58.1 P1#59.1 P1#60.1 P1#61.1 P1#62.1 P1#63.1 P1#64.1 P1#65.1 P1#66.1 P1#67.1 P1#68.1 P1#69.1 P1#70.1 P1#71.1 P1#72.1 P1#73.1 P1#74.1 P1#75.1 P1#76.1 P1#77.1 P1#78.1 P1#79.1 P1#80.1 P1#81.1 P1#82.1 P1#83.1 P1#84.1 P1#85.1 P1#86.1 P1#87.1 P1#88.1 P1#89.1 P1#90.1 P1#91.1 P1#92.1 P1#93.1 P1#94.1 P1#95.1 P1#96.1 P1#97.1 P1#98.1 P1#99.1 P1#100.1 P3.1 P3#2.1 P3#3.1 P3#4.1 P3#5.1 P3#6.1 P3#7.1 P3#8.1 P3#9.1 P3#10.1 P3#11.1 P3#12.1 P3#13.1 P3#14.1 P3#15.1 P3#16.1 P3#17.1 P3#18.1 P3#19.1 P3#20.1 P3#21.1 P3#22.1 P3#23.1 P3#24.1 P3#25.1 P3#26.1 P3#27.1 P3#28.1 P3#29.1 P3#30.1 P3#31.1 P3#32.1 P3#33.1 P3#34.1 P3#35.1 P3#36.1 P3#37.1 P3#38.1 P3#39.1 P3#40.1 P3#41.1 P3#42.1 P3#43.1 P3#44.1 P3#45.1 P3#46.1 P3#47.1 P3#48.1 P3#49.1 P3#50.1 P3#51.1 P3#52.1 P3#53.1 P3#54.1 P3#55.1 P3#56.1 P3#57.1 P3#58.1 P3#59.1 P3#60.1 P3#61.1 P3#62.1 P3#63.1 P3#64.1 P3#65.1 P3#66.1 P3#67.1 P3#68.1 P3#69.1 P3#70.1 P3#71.1 P3#72.1 P3#73.1 P3#74.1 P3#75.1 P3#76.1 P3#77.1 P3#78.1 P3#79.1 P3#80.1 P3#81.1 P3#82.1 P3#83.1 P3#84.1 P3#85.1 P3#86.1 P3#87.1 P3#88.1 P3#89.1 P3#90.1 P3#91.1 P3#92.1 P3#93.1 P3#94.1 P3#95.1 P3#96.1 P3#97.1 P3#98.1 P3#99.1 P3#100.1
GND: C1.2 C1#2.2 C1#3.2 C1#4.2 C1#5.2 C1#6.2 C1#7.2 C1#8.2 C1#9.2 C1#10.2 C1#11.2 C1#12.2 C1#13.2 C1#14.2 C1#15.2 C1#16.2 C1#17.2 C1#18.2 C1#19.2 C1#20.2 C1#21.2 C1#22.2 C1#23.2 C1#24.2 C1#25.2 C1#26.2 C1#27.2 C1#28.2 C1#29.2 C1#30.2 C1#31.2 C1#32.2 C1#33.2 C1#34.2 C1#35.2 C1#36.2 C1#37.2 C1#38.2 C1#39.2 C1#40.2 C1#41.2 C1#42.2 C1#43.2 C1#44.2 C1#45.2 C1#46.2 C1#47.2 C1#48.2 C1#49.2 C1#50.2 C1#51.2 C1#52.2 C1#53.2 C1#54.2 C1#55.2 C1#56.2 C1#57.2 C1#58.2 C1#59.2 C1#60.2 C1#61.2 C1#62.2 C1#63.2 C1#64.2 C1#65.2 C1#66.2 C1#67.2 C1#68.2 C1#69.2 C1#70.2 C1#71.2 C1#72.2 C1#73.2 C1#74.2 C1#75.2 C1#76.2 C1#77.2 C1#78.2 C1#79.2 C1#80.2 C1#81.2 C1#82.2 C1#83.2 C1#84.2 C1#85.2 C1#86.2 C1#87.2 C1#88.2 C1#89.2 C1#90.2 C1#91.2 C1#92.2 C1#93.2 C1#94.2 C1#95.2 C1#96.2 C1#97.2 C1#98.2 C1#99.2 C1#100.2 D1.1 D1#2.1 D1#3.1 D1#4.1 D1#5.1 D1#6.1 D1#7.1 D1#8.1 D1#9.1 D1#10.1 D1#11.1 D1#12.1 D1#13.1 D1#14.1 D1#15.1 D1#16.1 D1#17.1 D1#18.1 D1#19.1 D1#20.1 D1#21.1 D1#22.1 D1#23.1 D1#24.1 D1#25.1 D1#26.1 D1#27.1 D1#28.1 D1#29.1 D1#30.1 D1#31.1 D1#32.1 D1#33.1 D1#34.1 D1#35.1 D1#36.1 D1#37.1 D1#38.1 D1#39.1 D1#40.1 D1#41.1 D1#42.1 D1#43.1 D1#44.1 D1#45.1 D1#46.1 D1#47.1 D1#48.1 D1#49.1 D1#50.1 D1#51.1 D1#52.1 D1#53.1 D1#54.1 D1#55.1 D1#56.1 D1#57.1 D1#58.1 D1#59.1 D1#60.1 D1#61.1 D1#62.1 D1#63.1 D1#64.1 D1#65.1 D1#66.1 D1#67.1 D1#68.1 D1#69.1 D1#70.1 D1#71.1 D1#72.1 D1#73.1 D1#74.1 D1#75.1 D1#76.1 D1#77.1 D1#78.1 D1#79.1 D1#80.1 D1#81.1 D1#82.1 D1#83.1 D1#84.1 D1#85.1 D1#86.1 D1#87.1 D1#88.1 D1#89.1 D1#90.1 D1#91.1 D1#92.1 D1#93.1 D1#94.1 D1#95.1 D1#96.1 D1#97.1 D1#98.1 D1#99.1 D1#100.1 P1.3 P1#2.3 P1#3.3 P1#4.3 P1#5.3 P1#6.3 P1#7.3 P1#8.3 P1#9.3 P1#10.3 P1#11.3 P1#12.3 P1#13.3 P1#14.3 P1#15.3 P1#16.3 P1#17.3 P1#18.3 P1#19.3 P1#20.3 P1#21.3 P1#22.3 P1#23.3 P1#24.3 P1#25.3 P1#26.3 P1#27.3 P1#28.3 P1#29.3 P1#30.3 P1#31.3 P1#32.3 P1#33.3 P1#34.3 P1#35.3 P1#36.3 P1#37.3 P1#38.3 P1#39.3 P1#40.3 P1#41.3 P1#42.3 P1#43.3 P1#44.3 P1#45.3 P1#46.3 P1#47.3 P1#48.3 P1#49.3 P1#50.3 P1#51.3 P1#52.3 P1#53.3 P1#54.3 P1#55.3 P1#56.3 P1#57.3 P1#58.3 P1#59.3 P1#60.3 P1#61.3 P1#62.3 P1#63.3 P1#64.3 P1#65.3 P1#66.3 P1#67.3 P1#68.3 P1#69.3 P1#70.3 P1#71.3 P1#72.3 P1#73.3 P1#74.3 P1#75.3 P1#76.3 P1#77.3 P1#78.3 P1#79.3 P1#80.3 P1#81.3 P1#82.3 P1#83.3 P1#84.3 P1#85.3 P1#86.3 P1#87.3 P1#88.3 P1#89.3 P1#90.3 P1#91.3 P1#92.3 P1#93.3 P1#94.3 P1#95.3 P1#96.3 P1#97.3 P1#98.3 P1#99.3 P1#100.3 P3.3 P3#2.3 P3#3.3 P3#4.3 P3#5.3 P3#6.3 P3#7.3 P3#8.3 P3#9.3 P3#10.3 P3#11.3 P3#12.3 P3#13.3 P3#14.3 P3#15.3 P3#16.3 P3#17.3 P3#18.3 P3#19.3 P3#20.3 P3#21.3 P3#22.3 P3#23.3 P3#24.3 P3#25.3 P3#26.3 P3#27.3 P3#28.3 P3#29.3 P3#30.3 P3#31.3 P3#32.3 P3#33.3 P3#34.3 P3#35.3 P3#36.3 P3#37.3 P3#38.3 P3#39.3 P3#40.3 P3#41.3 P3#42.3 P3#43.3 P3#44.3 P3#45.3 P3#46.3 P3#47.3 P3#48.3 P3#49.3 P3#50.3 P3#51.3 P3#52.3 P3#53.3 P3#54.3 P3#55.3 P3#56.3 P3#57.3 P3#58.3 P3#59.3 P3#60.3 P3#61.3 P3#62.3 P3#63.3 P3#64.3 P3#65.3 P3#66.3 P3#67.3 P3#68.3 P3#69.3 P3#70.3 P3#71.3 P3#72.3 P3#73.3 P3#74.3 P3#75.3 P3#76.3 P3#77.3 P3#78.3 P3#79.3 P3#80.3 P3#81.3 P3#82.3 P3#83.3 P3#84.3 P3#85.3 P3#86.3 P3#87.3 P3#88.3 P3#89.3 P3#90.3 P3#91.3 P3#92.3 P3#93.3 P3#94.3 P3#95.3 P3#96.3 P3#97.3 P3#98.3 P3#99.3 P3#100.3
DIN: P1.2 P1#2.2 P1#3.2 P1#4.2 P1#5.2 P1#6.2 P1#7.2 P1#8.2 P1#9.2 P1#10.2 P1#11.2 P1#12.2 P1#13.2 P1#14.2 P1#15.2 P1#16.2 P1#17.2 P1#18.2 P1#19.2 P1#20.2 P1#21.2 P1#22.2 P1#23.2 P1#24.2 P1#25.2 P1#26.2 P1#27.2 P1#28.2 P1#29.2 P1#30.2 P1#31.2 P1#32.2 P1#33.2 P1#34.2 P1#35.2 P1#36.2 P1#37.2 P1#38.2 P1#39.2 P1#40.2 P1#41.2 P1#42.2 P1#43.2 P1#44.2 P1#45.2 P1#46.2 P1#47.2 P1#48.2 P1#49.2 P1#50.2 P1#51.2 P1#52.2 P1#53.2 P1#54.2 P1#55.2 P1#56.2 P1#57.2 P1#58.2 P1#59.2 P1#60.2 P1#61.2 P1#62.2 P1#63.2 P1#64.2 P1#65.2 P1#66.2 P1#67.2 P1#68.2 P1#69.2 P1#70.2 P1#71.2 P1#72.2 P1#73.2 P1#74.2 P1#75.2 P1#76.2 P1#77.2 P1#78.2 P1#79.2 P1#80.2 P1#81.2 P1#82.2 P1#83.2 P1#84.2 P1#85.2 P1#86.2 P1#87.2 P1#88.2 P1#89.2 P1#90.2 P1#91.2 P1#92.2 P1#93.2 P1#94.2 P1#95.2 P1#96.2 P1#97.2 P1#98.2 P1#99.2 P1#100.2 R1.1 R1#2.1 R1#3.1 R1#4.1 R1#5.1 R1#6.1 R1#7.1 R1#8.1 R1#9.1 R1#10.1 R1#11.1 R1#12.1 R1#13.1 R1#14.1 R1#15.1 R1#16.1 R1#17.1 R1#18.1 R1#19.1 R1#20.1 R1#21.1 R1#22.1 R1#23.1 R1#24.1 R1#25.1 R1#26.1 R1#27.1 R1#28.1 R1#29.1 R1#30.1 R1#31.1 R1#32.1 R1#33.1 R1#34.1 R1#35.1 R1#36.1 R1#37.1 R1#38.1 R1#39.1 R1#40.1 R1#41.1 R1#42.1 R1#43.1 R1#44.1 R1#45.1 R1#46.1 R1#47.1 R1#48.1 R1#49.1 R1#50.1 R1#51.1 R1#52.1 R1#53.1 R1#54.1 R1#55.1 R1#56.1 R1#57.1 R1#58.1 R1#59.1 R1#60.1 R1#61.1 R1#62.1 R1#63.1 R1#64.1 R1#65.1 R1#66.1 R1#67.1 R1#68.1 R1#69.1 R1#70.1 R1#71.1 R1#72.1 R1#73.1 R1#74.1 R1#75.1 R1#76.1 R1#77.1 R1#78.1 R1#79.1 R1#80.1 R1#81.1 R1#82.1 R1#83.1 R1#84.1 R1#85.1 R1#86.1 R1#87.1 R1#88.1 R1#89.1 R1#90.1 R1#91.1 R1#92.1 R1#93.1 R1#94.1 R1#95.1 R1#96.1 R1#97.1 R1#98.1 R1#99.1 R1#100.1
